# Altium PCB S6.PcbDoc (part 11 of 14)
Units mil, origin at the board's own origin, x right, y up, seen from the top; angles counter-clockwise.
Board outline 5250 x 2929.55 mil, 6 copper layers (Top Layer, Mid-Layer 2, Mid-Layer 4, Mid-Layer 3, Mid-Layer 1, Bottom Layer); 345 components, 365 nets, 2233 pads, 960 vias.
Unrouted connection lines stored in the file: 1.
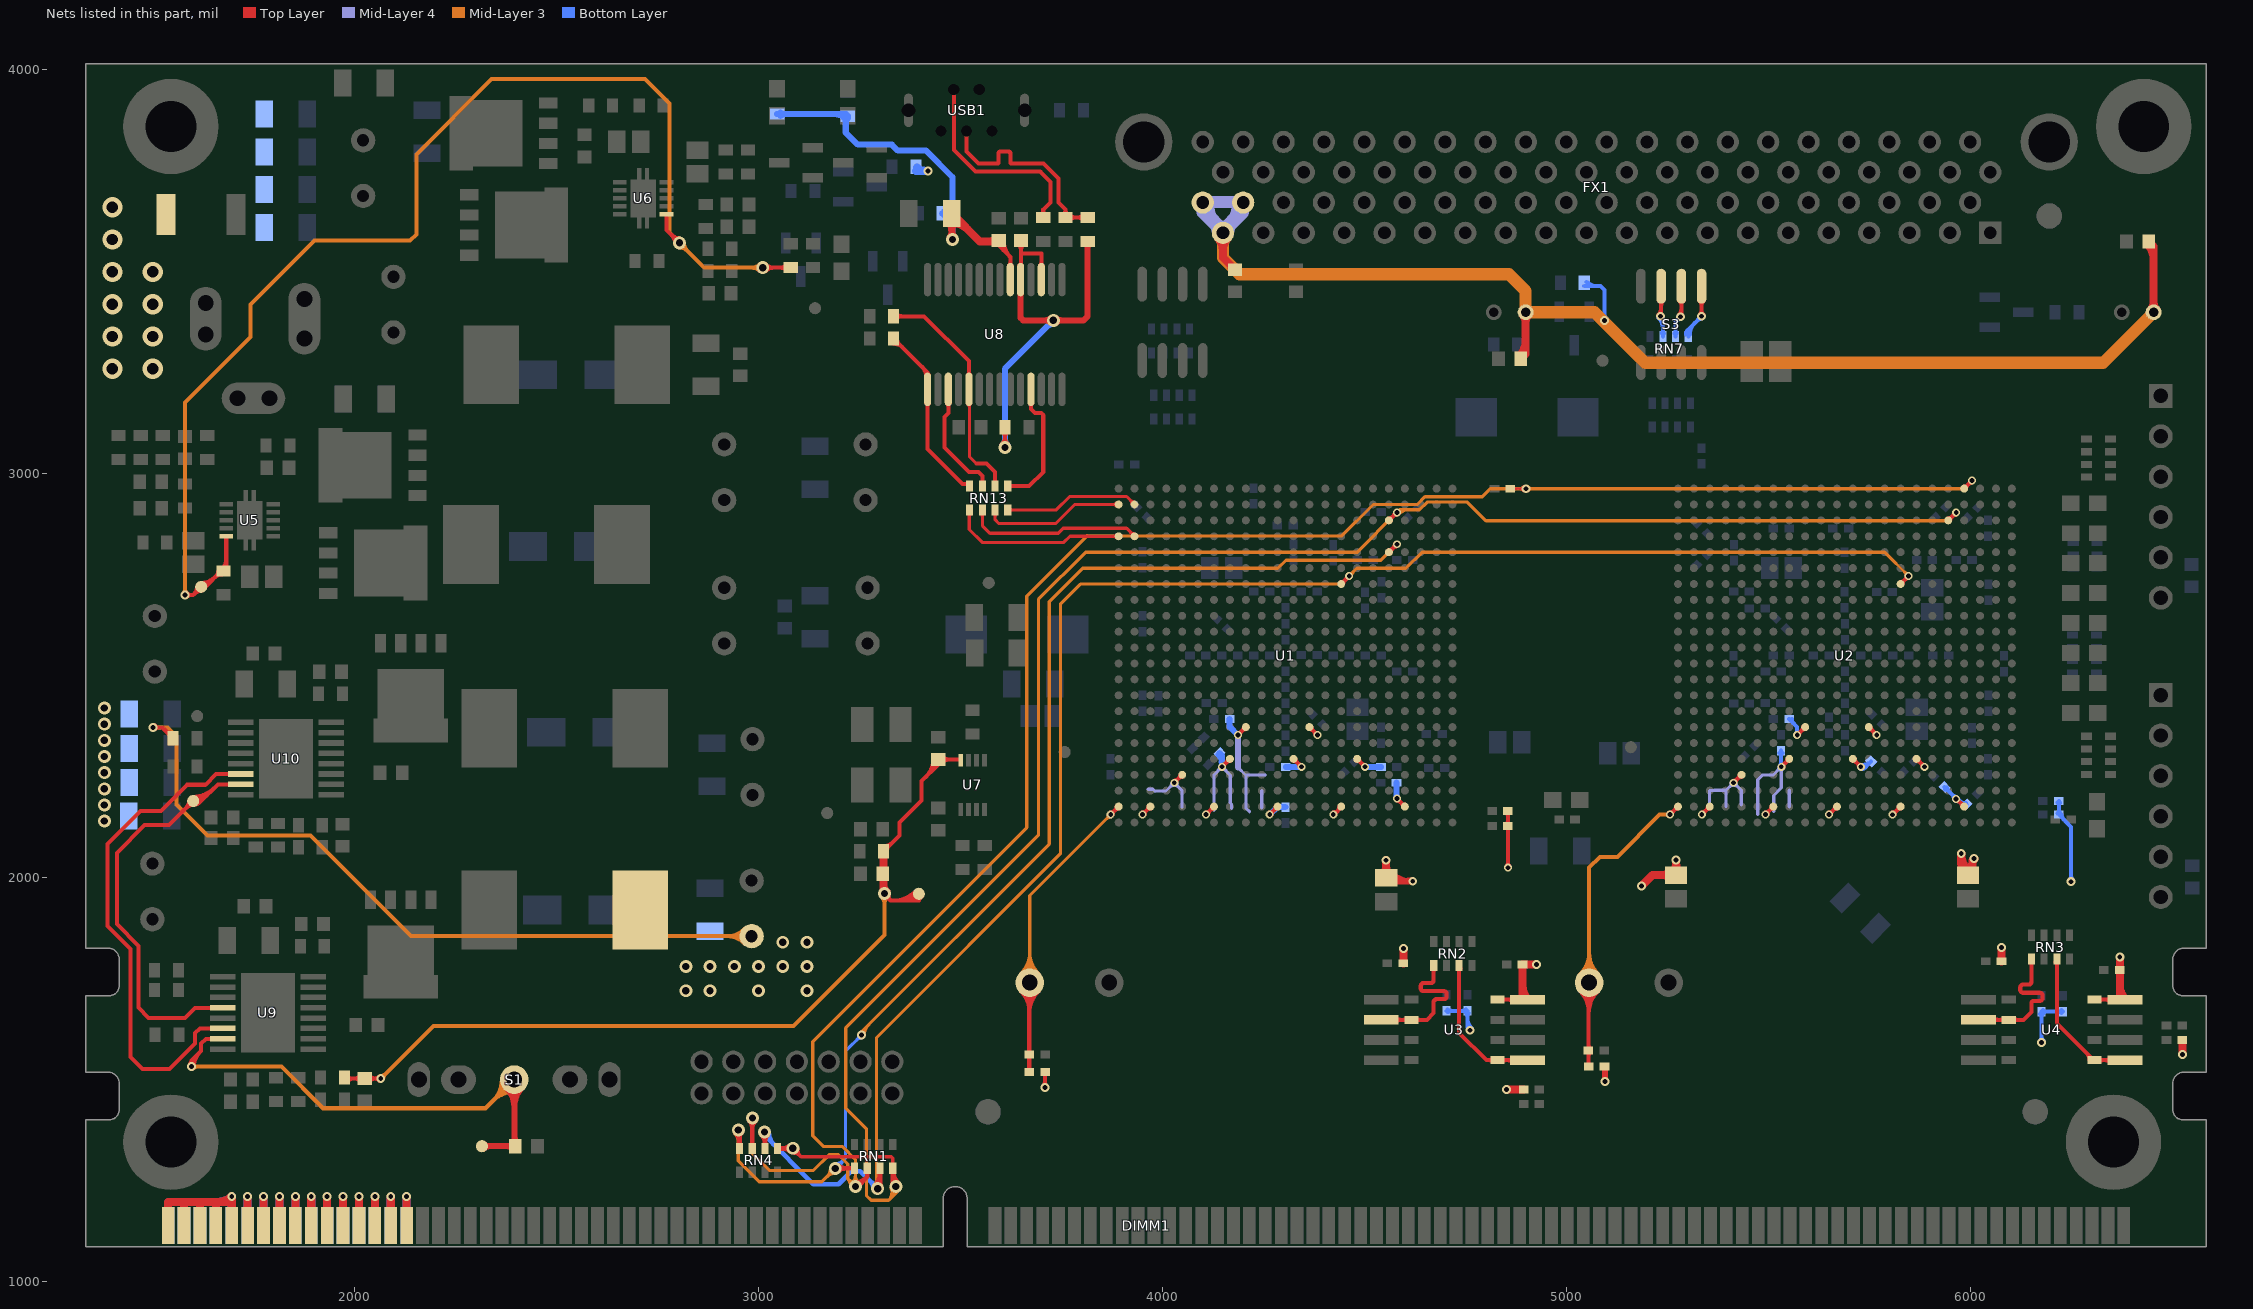
[diagram p15: the nets of this part, all layers, seen from the top]

## Via types
v1: diameter 19.68, hole 11.81, Top Layer to Bottom Layer, tented both sides, 469 vias
v2: diameter 32, hole 18, Top Layer to Bottom Layer, tented both sides, 257 vias
v3: diameter 22, hole 12, Top Layer to Bottom Layer, tented both sides, 185 vias
v4: diameter 25.59, hole 12.99, Top Layer to Bottom Layer, tented bottom, 16 vias
v5: diameter 50, hole 28, Top Layer to Bottom Layer, tented both sides, 15 vias
v6: diameter 23.62, hole 11.81, Top Layer to Bottom Layer, tented bottom, 10 vias
v7: diameter 20, hole 12, Top Layer to Bottom Layer, tented both sides, 5 vias
v8: diameter 21.65, hole 11.81, Top Layer to Bottom Layer, tented both sides, 2 vias
v9: diameter 39.37, hole 39.37, Top Layer to Bottom Layer, 1 vias

## Nets (pads, with @x,y where several pads share a name; then routed paths per layer and width w, separated by ;. In a path a pad name is that pad's centre, name@x,y a point inside that pad or via, vN(x,y) a via of type N, cw(c..) or ccw(c..) an arc to the next point about the centre after c; other vN are vias at no path point) (continued)
NetRN7_6: RN7.6 S3.7 | length 213.7
  Top Layer w10: v3@5228.76,3394.24 ccw(c5213.69,3409.31) 5235,3409.31 ; S3.7@5230.18,3428.18 cw(c5218.56,3416.55) 5235,3416.55 cw(c5251.44,3416.55) S3.7@5239.82,3428.18 ; v3(5233,3390) 5235,3392 S3.7@5235,3464.49
  Bottom Layer w10: v3@5228.76,3385.76 cw(c5203.42,3360.42) 5239.25,3360.42 ; v3(5233,3390) 5239.25,3383.75 RN7.6@5239.25,3339.53 ; RN7.6@5236.52,3347.18 ccw(c5229.94,3353.76) 5239.25,3353.76 ccw(c5248.57,3353.76) RN7.6@5241.98,3347.18
NetRN7_7: RN7.7 S3.6 | length 210.8
  Top Layer w10: v3@5278.76,3393.24 ccw(c5263.69,3408.31) 5285,3408.31 ; S3.6@5280.18,3428.18 cw(c5268.56,3416.55) 5285,3416.55 cw(c5301.44,3416.55) S3.6@5289.82,3428.18 ; v3(5283,3389) 5285,3391 S3.6@5285,3464.49
  Bottom Layer w10: RN7.7@5268.02,3347.18 ccw(c5261.43,3353.76) 5270.75,3353.76 ccw(c5280.06,3353.76) RN7.7@5273.48,3347.18 ; RN7.7@5270.75,3339.53 5270.75,3376.75 v3(5283,3389) ; v3@5277,3389 cw(c5262.51,3389) 5272.76,3378.76 cw(c5283,3368.51) v3@5283,3383
NetRN7_8: RN7.8 S3.5 | length 268.7
  Top Layer w10: S3.5@5330.18,3428.18 cw(c5318.56,3416.55) 5335,3416.55 cw(c5351.44,3416.55) S3.5@5339.82,3428.18 ; v3@5330.76,3394.24 ccw(c5320.51,3404.49) 5335,3404.49 ccw(c5349.49,3404.49) v3@5339.24,3394.24 ; v3(5335,3390) S3.5@5335,3464.49
  Bottom Layer w10: RN7.8@5296.1,3344.45 cw(c5312.16,3344.45) 5300.81,3355.81 ; RN7.8@5299.52,3347.18 ccw(c5292.93,3353.76) 5302.24,3353.76 ccw(c5311.56,3353.76) RN7.8@5304.97,3347.18 ; RN7.8@5302.24,3339.53 5302.24,3357.24 v3(5335,3390) ; RN7.8@5306.1,3344.45 cw(c5346.31,3344.45) 5317.88,3372.88 ; v3@5329,3390 cw(c5314.51,3390) 5324.76,3379.76 cw(c5335,3369.51) v3@5335,3384
NetTP9_1: TP9.1 U9.4 U10.7 | length 1190.5
  Top Layer w10: TP9.1@1590,2190 cw(c1565.86,2190) 1582.93,2172.93 cw(c1600,2155.86) 1600,2180 ccw(c1600,2204.14) 1617.07,2187.07 ; TP9.1@1600,2200 ccw(c1600,2272.43) 1651.21,2221.21 ; TP9.1@1608,2184 cw(c1620,2175) 1620,2190 ; TP9.1@1608,2196 ccw(c1620,2205) 1620,2190 ; 1634.14,2204.14 cw(c1600,2238.28) TP9.1@1600,2190 ; U9.4@1672.8,1677.8 1604.8,1677.8 1580,1653 1490,1653 1465,1678 1465,1831 1411,1885 1411,2061 1480,2130 1540,2130 TP9.1@1600,2190 ; U10.7@1717.8,2231.02 1661.02,2231.02 1620,2190 ; TP9.1@1600,2190 1620,2190
NetU9_6: U9.6 U10.6 | length 1249.4
  Top Layer w10: U9.6@1672.8,1626.61 1616.61,1626.61 1605,1615 1605,1589 1542,1526 1475,1526 1445,1556 1445,1823 1388,1880 1388,2083 1470,2165 1520,2165 1585,2230 1630,2230 1656.61,2256.61 U10.6@1717.8,2256.61
PL_CTS: RN13.5 U8.11 | length 357.3
  Top Layer w10: RN13.5@3617.24,2969.53 3669.53,2969.53 3705,3005 3705,3145 3700,3150 3685,3150 3674.57,3160.43 U8.11@3674.57,3209.17 ; RN13.5@3619.97,2966.8 cw(c3626.56,2960.21) 3626.56,2969.53 cw(c3626.56,2978.84) RN13.5@3619.97,2972.26 ; U8.11@3671.84,3173.96 cw(c3665.25,3167.38) 3674.57,3167.38 cw(c3683.88,3167.38) U8.11@3677.3,3173.96
PL_RTS: RN13.7 U8.3 | length 326.1
  Top Layer w10: U8.3@3467.11,3173.96 cw(c3460.53,3167.38) 3469.84,3167.38 cw(c3479.16,3167.38) U8.3@3472.57,3173.96 ; U8.3@3469.84,3209.17 3469.84,3150.16 3460,3140.32 3460,3065 3521,3004 3545,3004 3554.25,2994.75 RN13.7@3554.25,2969.53 ; RN13.7@3551.52,2977.18 ccw(c3544.94,2983.76) 3554.25,2983.76 ccw(c3563.57,2983.76) RN13.7@3556.98,2977.18
PL_RXD: R60.2 RN13.6 U8.5 | length 666.3
  Top Layer w7: U8.5@3517.23,3172.9 cw(c3503.91,3159.58) 3522.75,3159.58 ; 3522.75,3167.93 cw(c3529.79,3167.93) U8.5@3524.81,3172.9 ; U8.5@3522.75,3207.44 3522.75,3042.25 3540,3025
  Top Layer w10: R60.2@3334.53,3390 3410,3390 3521.02,3278.98 U8.5@3521.02,3209.17 U8.5@3522.75,3207.44 ; R60.2@3340.74,3383.79 cw(c3355.72,3368.8) 3355.72,3390 cw(c3355.72,3411.2) R60.2@3340.74,3396.21 ; U8.5@3518.3,3244.38 ccw(c3511.71,3250.97) 3521.02,3250.97 ccw(c3530.34,3250.97) U8.5@3523.75,3244.38 ; 3540,3025 3565,3025 3585.75,3004.25 RN13.6@3585.75,2969.53 ; RN13.6@3583.02,2977.18 ccw(c3576.43,2983.76) 3585.75,2983.76 ccw(c3595.06,2983.76) RN13.6@3588.48,2977.18
PL_TXD: R59.2 RN13.8 U8.1 | length 546.5
  Top Layer w10: R59.2@3334.53,3322.28 cw(c3334.53,3291.58) 3356.24,3313.29 ; R59.2@3334.53,3335 3418.66,3250.87 ; R59.2@3343.31,3331.06 ccw(c3355,3331.06) R59.2@3346.73,3322.8 ; 3405.56,3263.97 cw(c3383.25,3241.65) U8.1@3414.8,3241.65 ; U8.1@3415.93,3173.96 cw(c3409.35,3167.38) 3418.66,3167.38 cw(c3427.98,3167.38) U8.1@3421.39,3173.96 ; U8.1@3415.95,3244.4 ccw(c3409.59,3250.87) 3418.66,3250.87 ; U8.1@3421.37,3244.4 cw(c3427.73,3250.87) 3418.66,3250.87 ; 3512.11,2975 cw(c3512.11,2963.8) RN13.8@3520.03,2971.72 ; RN13.8@3522.76,2969.53 3517.28,2975 3505,2975 3418.66,3061.34 U8.1@3418.66,3209.17 3418.66,3250.87
PLVCC3V3: C47.1 R52.2 R53.2 U8.17 U8.19 | length 1370.4
  Top Layer w10: v2@3602.22,3072.78 ccw(c3582.3,3092.7) 3610.47,3092.7 ; R52.2@3604.26,3104.85 cw(c3589.28,3089.87) 3610.47,3089.87 cw(c3631.67,3089.87) R52.2@3616.68,3104.85 ; v2(3610,3065) 3610.47,3065.47 R52.2@3610.47,3115 ; 3610.47,3090.42 ccw(c3635.42,3090.42) v2@3617.78,3072.78 ; C47.1@3642.4,3569.84 cw(c3624.05,3551.49) 3650,3551.49 cw(c3675.95,3551.49) C47.1@3657.6,3569.84 ; U8.19@3646.25,3516.04 ccw(c3637.19,3525.09) 3650,3525.09 ; U8.19@3648.98,3480.83 3650,3481.85 3650,3545 ; C47.1@3650,3575.47 3650,3545 ; U8.17@3697.43,3516.04 ccw(c3690.84,3522.62) 3700.16,3522.62 ccw(c3709.47,3522.62) U8.17@3702.89,3516.04 ; U8.17@3700.16,3480.83 3700.16,3544.84 3700,3545 3650,3545
  Top Layer w15: U8.19@3648.98,3480.83 3648.98,3386.02 3655,3380 v2(3730,3380) 3805,3380 3815,3390 R53.2@3815,3575.47 ; v2@3723.99,3373.99 ccw(c3709.48,3359.48) 3709.48,3380 ccw(c3709.48,3400.52) v2@3723.99,3386.01 ; v2@3736.01,3373.99 cw(c3750.52,3359.48) 3750.52,3380 cw(c3750.52,3400.52) v2@3736.01,3386.01 ; R53.2@3810.56,3571.03 cw(c3799.84,3560.31) 3815,3560.31 cw(c3830.16,3560.31) R53.2@3819.44,3571.03
  Bottom Layer w15: v2@3603.99,3071.01 ccw(c3589.48,3085.52) 3610,3085.52 ccw(c3630.52,3085.52) v2@3616.01,3071.01 ; v2(3610,3065) 3610,3260 v2(3730,3380) ; v2@3721.5,3380 cw(c3700.98,3380) 3715.49,3365.49 cw(c3730,3350.98) v2@3730,3371.5
PROG_B1: C1.1 PROG1.2 R8.2 U1.AA1 | length 1322.1
  Top Layer w10: PROG1.2@3649.96,1718.48 cw(c3600.82,1669.34) 3670.31,1669.34 ; PROG1.2@3657.03,1725.55 cw(c3624.96,1693.48) 3670.31,1693.48 ; R8.2@3666.89,1522.42 ccw(c3658.62,1530.69) 3670.31,1530.69 ccw(c3682.01,1530.69) R8.2@3673.74,1522.42 ; C1.1@3666.89,1558.58 cw(c3658.62,1550.31) 3670.32,1550.31 cw(c3682.01,1550.31) C1.1@3673.74,1558.58 ; C1.1@3666.89,1565.42 ccw(c3658.62,1573.69) 3670.32,1573.69 ccw(c3682.01,1573.69) C1.1@3673.74,1565.42 ; R8.2@3670.31,1519 3670.31,1738.84 PROG1.2@3671.48,1740 ; 3670.31,1663.72 cw(c3747.76,1663.72) PROG1.2@3693,1718.48 ; 3670.31,1687.86 cw(c3723.62,1687.86) PROG1.2@3685.93,1725.55 ; v1(3871.93,2156.3) U1.AA1@3891.61,2175.98 ; v1@3871.93,2161.14 ccw(c3871.93,2172.83) 3880.19,2164.56 ccw(c3888.46,2156.3) v1@3876.77,2156.3 ; U1.AA1@3886.77,2175.98 cw(c3875.08,2175.98) 3883.35,2167.72 cw(c3891.61,2159.45) U1.AA1@3891.61,2171.14
  Mid-Layer 3 w8: PROG1.2@3649.25,1762.23 ccw(c3595.59,1815.89) 3671.48,1815.89 ccw(c3747.37,1815.89) PROG1.2@3693.71,1762.23 ; PROG1.2@3654.91,1756.57 ccw(c3614.91,1796.57) 3671.48,1796.57 ccw(c3728.05,1796.57) PROG1.2@3688.05,1756.57 ; PROG1.2@3660.57,1750.91 ccw(c3634.22,1777.26) 3671.48,1777.26 ccw(c3708.74,1777.26) PROG1.2@3682.39,1750.91 ; PROG1.2@3671.48,1740 3671.48,1955.85 v1(3871.93,2156.3) ; v1@3866.09,2156.3 cw(c3851.98,2156.3) 3861.95,2146.32 cw(c3871.93,2136.35) v1@3871.93,2150.46
PROG_B2: C2.1 PROG2.2 R9.2 U2.AA1 | length 1258.7
  Top Layer w10: PROG2.2@5035.05,1718.48 cw(c4986.14,1669.57) 5055.31,1669.57 ; PROG2.2@5042.13,1725.55 cw(c5010.28,1693.71) 5055.31,1693.71 ; R9.2@5051.89,1535.42 ccw(c5043.62,1543.69) 5055.31,1543.69 ccw(c5067.01,1543.69) R9.2@5058.74,1535.42 ; R9.2@5055.31,1532 5055.31,1738.74 PROG2.2@5056.57,1740 ; 5055.31,1557.97 cw(c5070.31,1557.97) C2.1@5059.71,1568.58 ; 5055.31,1586.03 ccw(c5070.31,1586.03) C2.1@5059.71,1575.42 ; 5055.31,1663.49 cw(c5133.09,1663.49) PROG2.2@5078.09,1718.48 ; 5055.31,1687.63 cw(c5108.94,1687.63) PROG2.2@5071.02,1725.55 ; v1(5256.93,2156.3) U2.AA1@5276.61,2175.98 ; v1@5256.93,2161.14 ccw(c5256.93,2172.83) 5265.19,2164.56 ccw(c5273.46,2156.3) v1@5261.77,2156.3 ; U2.AA1@5271.77,2175.98 cw(c5260.08,2175.98) 5268.35,2167.72 cw(c5276.61,2159.45) U2.AA1@5276.61,2171.14
  Mid-Layer 3 w10: PROG2.2@5035.05,1761.52 ccw(c4983.1,1813.47) 5056.57,1813.47 ccw(c5130.05,1813.47) PROG2.2@5078.09,1761.52 ; PROG2.2@5042.13,1754.45 ccw(c5007.24,1789.33) 5056.57,1789.33 ccw(c5105.9,1789.33) PROG2.2@5071.02,1754.45 ; PROG2.2@5056.57,1740 5056.57,2024.57 5083.5,2051.5 5126.5,2051.5 5231.3,2156.3 v1(5256.93,2156.3) ; v1@5253.5,2152.87 ccw(c5245.24,2144.61) 5245.24,2156.3 ccw(c5245.24,2167.99) v1@5253.5,2159.72
PWR_ON: C18.2 S1.2 TP4.1 U9.7 | length 1727.1
  Top Layer w10: v3@1591.76,1536.24 ccw(c1581.51,1546.49) 1596,1546.49 ccw(c1610.49,1546.49) v3@1600.24,1536.24 ; v3@1592,1532 cw(c1618.56,1532) 1599.78,1550.78 ; v3(1596,1532) 1596,1547 1620,1571 1620,1589 1632.02,1601.02 U9.7@1672.8,1601.02 ; v3@1602,1532 cw(c1652.7,1532) 1616.85,1567.85
  Top Layer w15: TP4.1@2315,1335 2395.47,1335 2395.47,1499.53 S1.2@2395,1500 ; TP4.1@2320.3,1329.7 cw(c2333.11,1316.89) 2333.11,1335 cw(c2333.11,1353.11) TP4.1@2320.3,1340.3 ; S1.2@2375.25,1480.25 cw(c2326.42,1431.42) 2395.47,1431.42 ; C18.2@2391.61,1329.17 ccw(c2377.53,1315.09) 2377.53,1335 ccw(c2377.53,1354.91) C18.2@2391.61,1340.83 ; 2395.47,1361.63 ccw(c2422.11,1361.63) C18.2@2403.27,1342.8 ; 2395.47,1433.7 cw(c2461.3,1433.7) S1.2@2414.75,1480.25
  Mid-Layer 3 w10: v3(1596,1532) 1819,1532 1922,1429 2324,1429 S1.2@2395,1500 ; v3@1600.24,1527.76 cw(c1610.49,1517.51) 1610.49,1532 cw(c1610.49,1546.49) v3@1600.24,1536.24 ; S1.2@2364.57,1500 cw(c2291.1,1500) 2343.05,1448.05 cw(c2395,1396.1) S1.2@2395,1469.57 ; S1.2@2374.57,1500 cw(c2325.24,1500) 2360.12,1465.12 cw(c2395,1430.24) S1.2@2395,1479.57
SDI_A: RN2.3 U3.5 | length 366.9
  Top Layer w10: RN2.3@4732.02,1774.82 cw(c4725.43,1768.24) 4734.75,1768.24 cw(c4744.06,1768.24) RN2.3@4737.48,1774.82 ; RN2.3@4734.75,1782.47 4734.75,1615.25 4802,1548 4826.35,1548 U3.5@4829.35,1548 ; U3.5@4818.26,1544.58 ccw(c4810,1536.31) 4810,1548 ccw(c4810,1559.69) U3.5@4818.26,1551.42 ; U3.5@4840.43,1544.58 cw(c4848.69,1536.31) 4848.69,1548 cw(c4848.69,1559.69) U3.5@4840.43,1551.42 ; U3.5@4867.79,1543.18 ccw(c4856.16,1531.56) 4856.16,1548 ccw(c4856.16,1564.44) U3.5@4867.79,1552.82
SDI_B: RN3.3 U4.5 | length 364.8
  Top Layer w10: RN3.3@6212.02,1790.82 cw(c6205.43,1784.24) 6214.75,1784.24 cw(c6224.06,1784.24) RN3.3@6217.48,1790.82 ; RN3.3@6214.75,1798.47 6214.75,1638.6 U4.5@6305.35,1548 ; 6289.13,1564.22 cw(c6272.91,1548) U4.5@6295.85,1548 ; U4.5@6319.43,1544.58 cw(c6327.69,1536.31) 6327.69,1548 cw(c6327.69,1559.69) U4.5@6319.43,1551.42 ; U4.5@6346.79,1543.18 ccw(c6335.16,1531.56) 6335.16,1548 ccw(c6335.16,1564.44) U4.5@6346.79,1552.82
SDO_A: RN2.1 U3.2 | length 366.9
  Top Layer w10: U3.2@4578.21,1643.18 cw(c4589.84,1631.56) 4589.84,1648 cw(c4589.84,1664.44) U3.2@4578.21,1652.82 ; U3.2@4605.57,1644.58 ccw(c4597.31,1636.31) 4597.31,1648 ccw(c4597.31,1659.69) U3.2@4605.57,1651.42 ; U3.2@4616.65,1648 4619.65,1648 4655,1648 4671.76,1664.76 4671.76,1679 4671.76,1692 cw(c4678.76,1692) 4678.76,1699 4696.76,1699 ccw(c4696.76,1706) 4703.76,1706 4703.76,1712 ccw(c4696.76,1712) 4696.76,1719 4671.76,1719 4646.76,1719 cw(c4646.76,1726) 4639.76,1726 4639.76,1732 cw(c4646.76,1732) 4646.76,1739 4664.76,1739 ccw(c4664.76,1746) 4671.76,1746 4671.76,1749 RN2.1@4671.76,1782.47 ; U3.2@4627.74,1644.58 cw(c4636,1636.31) 4636,1648 cw(c4636,1659.69) U3.2@4627.74,1651.42 ; RN2.1@4669.03,1774.82 cw(c4662.44,1768.24) 4671.76,1768.24 cw(c4681.07,1768.24) RN2.1@4674.48,1774.82
SDO_B: RN3.1 U4.2 | length 364.4
  Top Layer w10: U4.2@6057.21,1643.18 cw(c6068.84,1631.56) 6068.84,1648 cw(c6068.84,1664.44) U4.2@6057.21,1652.82 ; U4.2@6084.57,1644.58 ccw(c6076.31,1636.31) 6076.31,1648 ccw(c6076.31,1659.69) U4.2@6084.57,1651.42 ; U4.2@6095.65,1648 6098.65,1648 6132,1648 6151.76,1667.76 6151.76,1686 6151.76,1688 cw(c6158.76,1688) 6158.76,1695 6172.32,1695 ccw(c6172.32,1702) 6179.32,1702 6179.32,1708 ccw(c6172.32,1708) 6172.32,1715 6151.76,1715 6131.19,1715 cw(c6131.19,1722) 6124.19,1722 6124.19,1728 cw(c6131.19,1728) 6131.19,1735 6144.76,1735 ccw(c6144.76,1742) 6151.76,1742 6151.76,1755 6151.76,1765 RN3.1@6151.76,1798.47 ; U4.2@6106.74,1644.58 cw(c6115,1636.31) 6115,1648 cw(c6115,1659.69) U4.2@6106.74,1651.42 ; RN3.1@6149.03,1790.82 cw(c6142.44,1784.24) 6151.76,1784.24 cw(c6161.07,1784.24) RN3.1@6154.48,1790.82
TCK: RN1.7 RN4.2 U1.G15 U2.G15 | length 4679.5
  Top Layer w10: U1.G15@4442.8,2727.17 v1(4462.48,2746.85) ; U1.G15@4442.8,2732.01 ccw(c4442.8,2743.7) 4451.06,2735.43 ccw(c4459.33,2727.17) U1.G15@4447.64,2727.17 ; v1@4457.64,2746.85 cw(c4445.95,2746.85) 4454.21,2738.58 cw(c4462.48,2730.32) v1@4462.48,2742.01 ; U2.G15@5827.8,2727.17 v1(5847.48,2746.85) ; U2.G15@5827.8,2732.01 ccw(c5827.8,2743.7) 5836.06,2735.43 ccw(c5844.33,2727.17) U2.G15@5832.64,2727.17 ; v1@5842.64,2746.85 cw(c5830.95,2746.85) 5839.21,2738.58 cw(c5847.48,2730.32) v1@5847.48,2742.01
  Top Layer w12: v2@3007.93,1362.93 cw(c2989.05,1344.05) 3015.75,1344.05 ; v2(3015,1370) 3015.75,1369.25 RN4.2@3015.75,1329.53 ; 3015.75,1347.66 cw(c3037.34,1347.66) v2@3022.07,1362.93 ; v2@3287.93,1237.07 ccw(c3256.98,1268.02) RN1.7@3300.75,1268.02 ; v2(3295,1230) 3300.75,1235.75 RN1.7@3300.75,1280.47
  Mid-Layer 3 w8: v2@3286.51,1238.49 ccw(c3273.27,1251.73) 3292,1251.73 ; 3292,1246.9 ccw(c3311.9,1246.9) v2@3297.83,1232.83 ; 3292,1266.21 ccw(c3331.21,1266.21) v2@3303.49,1238.49 ; v2(3295,1230) 3292,1233 3292,1604 3748,2060 3748,2678 3797,2727 4442.63,2727 v1(4462.48,2746.85) 4481.63,2766 4603,2766 4643,2806 5788.33,2806 v1(5847.48,2746.85) ; v1@4456.64,2746.85 cw(c4442.53,2746.85) 4452.51,2736.88 cw(c4462.48,2726.9) v1@4462.48,2741.01 ; v1@4462.48,2752.69 ccw(c4462.48,2766.8) 4472.46,2756.83 ccw(c4482.43,2746.85) v1@4468.32,2746.85 ; v1@5841.64,2746.85 ccw(c5827.53,2746.85) 5837.51,2756.83 ccw(c5847.48,2766.8) v1@5847.48,2752.69
  Bottom Layer w12: v2(3015,1370) 3015,1361.82 3135.82,1241 3198,1241 3230,1273 3252,1273 v2(3295,1230) ; v2@3025,1370 ccw(c3068.9,1370) 3037.86,1338.96 ; v2@3285,1230 ccw(c3260.86,1230) 3277.93,1247.07 ccw(c3295,1264.14) v2@3295,1240
TDI: RN1.5 RN4.4 U1.E18 | length 3355.3
  Top Layer w10: U1.E18@4560.91,2805.91 v1(4580.59,2825.59) ; U1.E18@4560.91,2810.75 ccw(c4560.91,2822.44) 4569.17,2814.17 ccw(c4577.44,2805.91) U1.E18@4565.75,2805.91 ; v1@4575.75,2825.59 cw(c4564.06,2825.59) 4572.32,2817.32 cw(c4580.59,2809.06) v1@4580.59,2820.75
  Top Layer w12: v2@2942.93,1367.93 cw(c2919.2,1344.2) 2952.76,1344.2 ; v2(2950,1375) 2952.76,1372.24 RN4.4@2952.76,1329.53 ; 2952.76,1357.51 cw(c2967.49,1357.51) v2@2957.07,1367.93 ; v2(3190,1280) 3190.47,1280.47 RN1.5@3237.76,1280.47 ; v2@3197.07,1272.93 cw(c3215.28,1254.72) 3215.28,1280.47 ; v2@3197.07,1287.07 ccw(c3213,1303) 3213,1280.47
  Mid-Layer 3 w8: v2@2941.51,1366.51 cw(c2921.03,1346.03) 2950,1346.03 cw(c2978.97,1346.03) v2@2958.49,1366.51 ; v2(2950,1375) 2950,1299 3002,1247 3157,1247 v2(3190,1280) ; v2@3178,1280 cw(c3149.03,1280) 3169.51,1259.51 cw(c3190,1239.03) v2@3190,1268 ; v3@3254,1610 cw(c3270.9,1610) 3258.95,1621.95 ; v3(3255,1610) 3255,1618 3720,2083 3720,2683 3803,2766 4286,2766 4306,2786 4541,2786 v1(4580.59,2825.59) ; v3@3262,1610 cw(c3298.21,1610) 3272.61,1635.61 ; v1@4574.75,2825.59 cw(c4560.64,2825.59) 4570.62,2815.62 cw(c4580.59,2805.64) v1@4580.59,2819.75
  Bottom Layer w8: v2(3190,1280) 3215,1305 3215,1570 v3(3255,1610) ; v2@3190,1292 ccw(c3190,1320.97) 3210.49,1300.49 ccw(c3230.97,1280) v2@3202,1280 ; v3@3248,1610 cw(c3231.1,1610) 3243.05,1598.05 cw(c3255,1586.1) v3@3255,1603
TDO: R13.1 RN1.6 RN4.3 U2.A19 | length 5219.7
  Top Layer w5: R13.1@4858.69,2963 R13.1@4861.69,2963 v3(4900,2963) ; R13.1@4868.85,2957.81 cw(c4881.38,2945.27) 4881.38,2963 cw(c4881.38,2980.73) R13.1@4868.85,2968.19 ; v3@4893.99,2956.99 ccw(c4879.48,2942.48) 4879.48,2963 ccw(c4879.48,2983.52) v3@4893.99,2969.01
  Top Layer w10: U2.A19@5985.28,2963.39 v1(6004.96,2983.07) ; U2.A19@5985.28,2968.23 ccw(c5985.28,2979.92) 5993.54,2971.65 ccw(c6001.81,2963.39) U2.A19@5990.12,2963.39 ; v1@6000.12,2983.07 cw(c5988.43,2983.07) 5996.69,2974.81 cw(c6004.96,2966.54) v1@6004.96,2978.23
  Top Layer w12: v2@2977.93,1397.93 cw(c2962.66,1382.66) 2984.25,1382.66 ; RN4.3@2984.25,1329.53 2984.25,1404.25 v2(2985,1405) ; 2984.25,1379.05 cw(c3010.95,1379.05) v2@2992.07,1397.93 ; v2(3240,1235) 3245,1235 3269.25,1259.25 RN1.6@3269.25,1280.47 ; v2@3240,1245 ccw(c3240,1281.21) 3265.61,1255.61
  Mid-Layer 3 w8: v2@2976.51,1396.51 cw(c2956.03,1376.03) 2985,1376.03 cw(c3013.97,1376.03) v2@2993.49,1396.51 ; v2(2985,1405) 2985,1316 3026,1275 3136,1275 3175,1314 3198,1314 3221,1291 3221,1254 ; v2@3228.02,1235.66 ccw(c3203.97,1236.97) 3221,1254 ; v2@3231.51,1243.49 ccw(c3211.03,1263.97) 3240,1263.97 ccw(c3268.97,1263.97) v2@3248.49,1243.49 ; v2@3239.34,1246.98 cw(c3238.03,1271.03) 3221,1254 ; v3@4895.05,2958.05 ccw(c4883.1,2946.1) 4883.1,2963 ccw(c4883.1,2979.9) v3@4895.05,2967.95 ; v3@4904.95,2958.05 cw(c4916.9,2946.1) 4916.9,2963 cw(c4916.9,2979.9) v3@4904.95,2967.95 ; v1@5999.12,2983.07 cw(c5985.01,2983.07) 5994.99,2973.1 cw(c6004.96,2963.12) v1@6004.96,2977.23 ; v1(6004.96,2983.07) 5985,2963.11 5985,2963 v3(4900,2963) 4812,2963 4792,2943 4650,2943 4631,2924 4522,2924 4444.12,2846.12 3813.88,2846.12 3813.5,2846.5 3664,2697 3664,2124 3134,1594 3134,1361 3161,1334 3208,1334 3240,1302 v2(3240,1235) 3221,1254
TMS: RN1.8 RN4.1 U1.C18 U2.C18 | length 4998.5
  Top Layer w8: v2@3084.53,1329.53 3105.05,1309 ; v2@3085,1318 cw(c3085,1291.31) 3103.87,1310.18 ; v2@3096.99,1329.55 ccw(c3124.57,1328.51) 3105.05,1309 ; RN1.8@3328.81,1288.83 ccw(c3320.52,1297.12) 3332.24,1297.12 ccw(c3343.97,1297.12) RN1.8@3335.68,1288.83 ; RN1.8@3332.24,1280.47 3332.24,1305.76 3329,1309 3105.05,1309
  Top Layer w10: U1.C18@4560.91,2884.65 v1(4580.59,2904.33) ; U1.C18@4560.91,2889.49 ccw(c4560.91,2901.18) 4569.17,2892.91 ccw(c4577.44,2884.65) U1.C18@4565.75,2884.65 ; v1@4575.75,2904.33 cw(c4564.06,2904.33) 4572.32,2896.07 cw(c4580.59,2887.8) v1@4580.59,2899.49 ; U2.C18@5945.91,2884.65 v1(5965.59,2904.33) ; U2.C18@5945.91,2889.49 ccw(c5945.91,2901.18) 5954.17,2892.91 ccw(c5962.44,2884.65) U2.C18@5950.75,2884.65 ; v1@5960.75,2904.33 cw(c5949.06,2904.33) 5957.32,2896.07 cw(c5965.59,2887.8) v1@5965.59,2899.49
  Top Layer w12: RN4.1@3047.24,1329.53 3084.53,1329.53 v2(3085,1330) ; 3059.72,1329.53 ccw(c3059.72,1355.28) v2@3077.93,1337.07 ; 3062,1329.53 cw(c3062,1307) v2@3077.93,1322.93 ; RN1.8@3332.24,1277.87 ccw(c3382.87,1277.87) v2@3347.07,1242.07 ; RN1.8@3332.24,1280.47 3332.24,1242.76 v2(3340,1235)
  Mid-Layer 3 w8: v2@3328.71,1230.94 cw(c3301.74,1221.26) 3322,1201 ; 3330.92,1209.92 ccw(c3314.87,1225.97) v2@3336.24,1233.65 ; 3339.84,1218.84 ccw(c3328,1230.69) v2@3343.76,1236.35 ; v2(3340,1235) 3340,1219 3322,1201 ; v1@4574.75,2904.33 cw(c4560.64,2904.33) 4570.62,2894.36 cw(c4580.59,2884.38) v1@4580.59,2898.49 ; v1@4579.07,2905.86 cw(c4591.48,2893.44) 4591.48,2911 ; v1@4584.72,2900.2 cw(c4610.8,2874.13) 4610.8,2911 ; v1@5959.75,2904.33 cw(c5945.64,2904.33) 5955.62,2894.36 cw(c5965.59,2884.38) v1@5965.59,2898.49 ; v1(5965.59,2904.33) 5945.26,2884 4801,2884 4755,2930 4655.38,2930 4636.38,2911 4587.26,2911 v1(4580.59,2904.33) 4482.26,2806 3810,2806 3693,2689 3693,2105 3215.92,1627.92 3215.92,1429.08 3267,1378 3267,1213 3279,1201 3322,1201